# Altium PCB motordriver-v5.2.PcbDoc (part 2 of 7)
Units mil, origin at the board's own origin, x right, y up, seen from the top; angles counter-clockwise.
Board outline 4530.01 x 6141.73 mil, 6 copper layers (Top Copper, GND Layer 1, Signal Layer 1, Signal Layer 2, PWR Layer, Bottom Copper), stack 58.2 mil thick; 778 components, 542 nets, 2552 pads, 1095 vias.
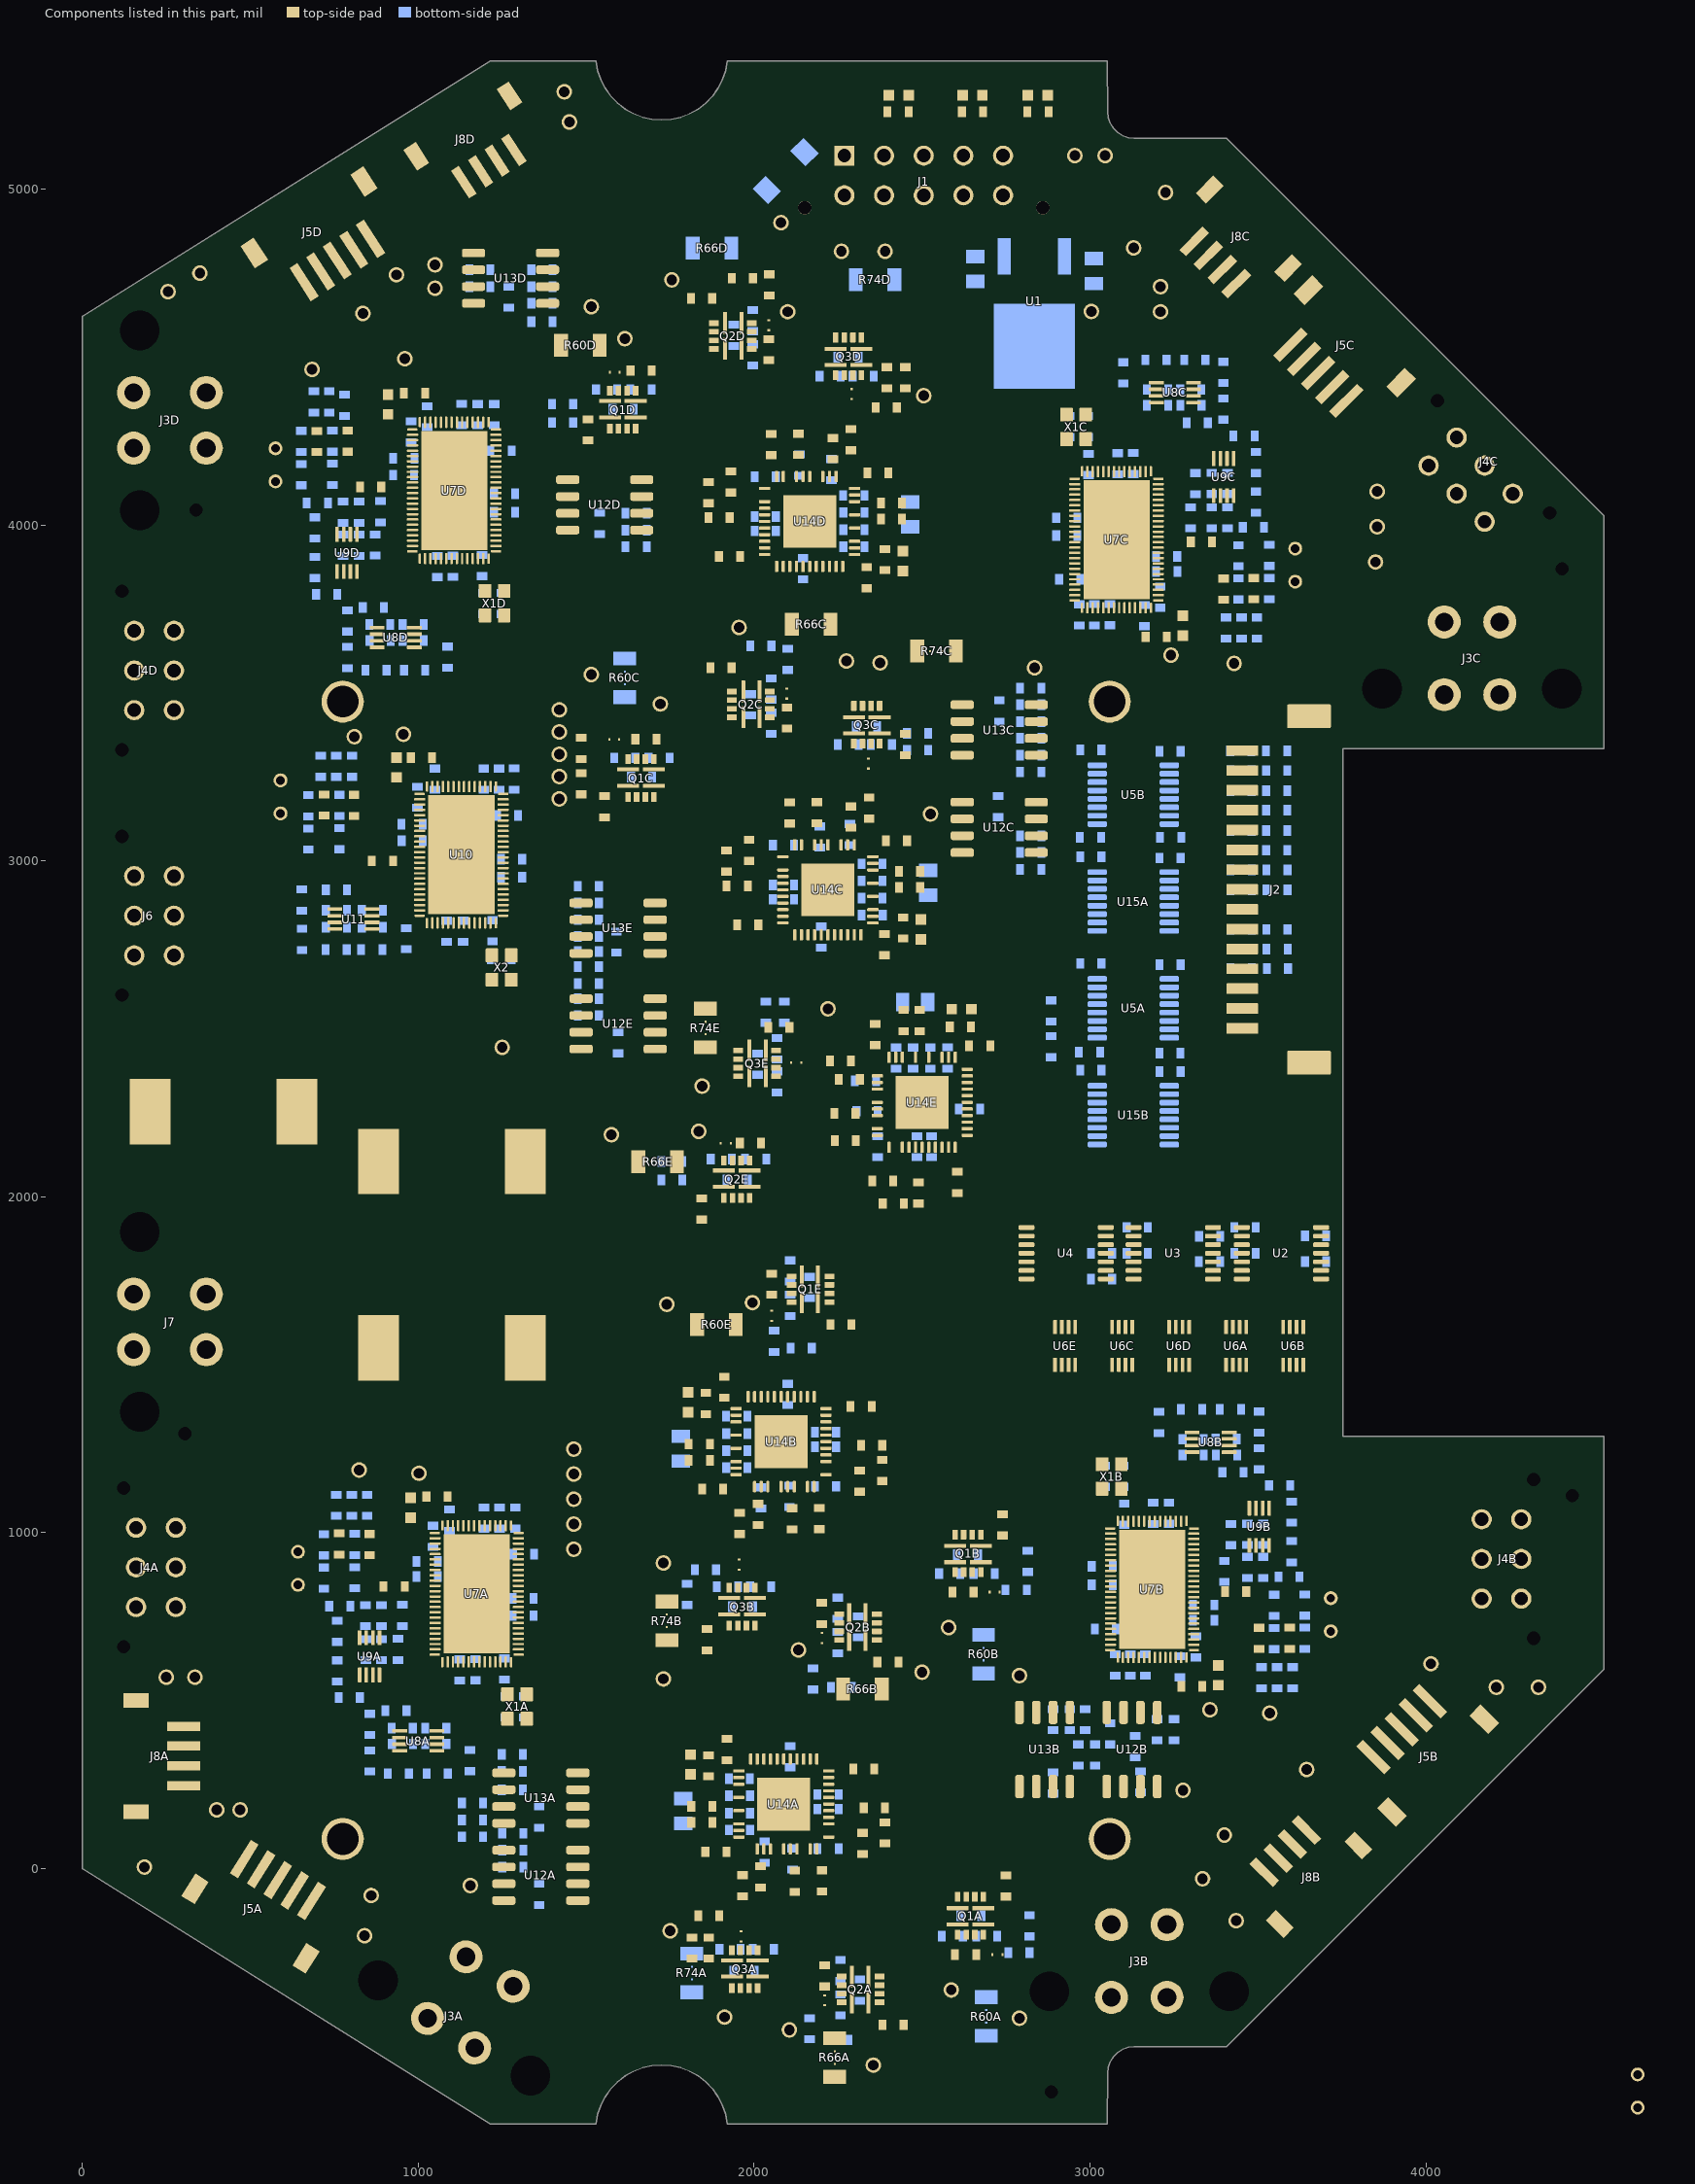
[diagram p6: the components of this part, seen from the top]

## Components (designator, comment, footprint, x,y, rotation, side; value= is the part's Value field where it differs from the comment) (continued)
FB1A "600R/1A" 0603 1260.6,481.62 r270 bottom value="600R/1A @ 100 MHz" (schematic designator FB1)
FB1B "600R/1A" 0603 3098.38,1168.33 r90 bottom value="600R/1A @ 100 MHz" (schematic designator FB1)
FB1C "600R/1A" 0603 2992.38,4293.23 r90 bottom value="600R/1A @ 100 MHz" (schematic designator FB1)
FB1D "600R/1A" 0603 1193.6,3766.62 r270 bottom value="600R/1A @ 100 MHz" (schematic designator FB1)
FB2 "600R/1A" 0603 1219.56,2672.78 r270 bottom value="600R/1A @ 100 MHz"
J1 "8A Molex" MOLEX_0430451012 2268.73,5099.72 r180 top
J2 "BM15B-ZESS-TBT(LF)(SN)" "JST ZE SMT 15POS" 3561.45,2885.53 r90 top
J3A "39299044" 39299044 1142.49,-262.48 r147.95 top (schematic designator J3)
J3B "39299044" 39299044 3063.99,-166.77 r180 top (schematic designator J3)
J3C "39299044" 39299044 4054.65,3711.54 r180 top (schematic designator J3)
J3D "39299044" 39299044 368.99,4394.42 r90 top (schematic designator J3)
J4A "43045-0628" 430450628 278.11,1015 r90 top (schematic designator J4)
J4B "43045-0628" 430450628 4165.89,803.89 r270 top (schematic designator J4)
J4C "43045-0628" 430450628 4175,4010 r315 top (schematic designator J4)
J4D "43045-0628" 430450628 272.53,3685.07 r90 top (schematic designator J4)
J5A "S5B-ZR-SM4A-TF (LF) (SN)" JST_S5B-ZR-SM4A-TF 682.21,-96.28 r147.95 top (schematic designator J5)
J5B "S5B-ZR-SM4A-TF (LF) (SN)" JST_S5B-ZR-SM4A-TF 4011.57,498.83 r225 top (schematic designator J5)
J5C "S5B-ZR-SM4A-TF (LF) (SN)" JST_S5B-ZR-SM4A-TF 3596.17,4536.57 r315 top (schematic designator J5)
J5D "S5B-ZR-SM4A-TF (LF) (SN)" JST_S5B-ZR-SM4A-TF 660.03,4723.07 r33.05 top (schematic designator J5)
J6 "43045-0628" 430450628 272.53,2955.07 r90 top
J7 "39299044" 39299044 368.99,1710.42 r90 top
J8A "S4B-ZR-SM4A-TF(LF)(SN)" JST_S4B-ZR-SM4A-TF(LF)(SN) 301.73,335.35 r270 top (schematic designator J8)
J8B "S4B-ZR-SM4A-TF(LF)(SN)" JST_S4B-ZR-SM4A-TF(LF)(SN) 3581.7,52.14 r45 top (schematic designator J8)
J8C "S4B-ZR-SM4A-TF(LF)(SN)" JST_S4B-ZR-SM4A-TF(LF)(SN) 3372.86,4781.7 r135 top (schematic designator J8)
J8D "S4B-ZR-SM4A-TF(LF)(SN)" JST_S4B-ZR-SM4A-TF(LF)(SN) 1210.24,5068.92 r213 top (schematic designator J8)
L1 "56 UH" "EATON _HCM1A1307V2-560-R" 1100.49,1550.07 r0 top value="56 uH"
L2 "56 UH" "EATON _HCM1A1307V2-560-R" 1099.99,2105.07 r0 top value="56 uH"
L3 "56 UH" "EATON _HCM1A1307V2-560-R" 419.99,2253.07 r0 top value="56 uH"
MH1 "M2 Hole" "Mounting Hole M2" 775.19,88.6 r0 top
MH2 "M2 Hole" "Mounting Hole M2" 3058.65,88.6 r0 top
MH3 "M2 Hole" "Mounting Hole M2" 3058.65,3474.43 r0 top
MH4 "M2 Hole" "Mounting Hole M2" 775.19,3474.43 r0 top
NT1A "8mil Nettie" NT_8mil 2723.99,-255.67 r180 top net-tie (schematic designator NT1)
NT1B "8mil Nettie" NT_8mil 2716.12,823.07 r180 top net-tie (schematic designator NT1)
NT1C "8mil Nettie" NT_8mil 1583.51,3362.12 r0 top net-tie (schematic designator NT1)
NT1D "8mil Nettie" NT_8mil 1585,4455 r0 top net-tie (schematic designator NT1)
NT1E "8mil Nettie" NT_8mil 2052.25,1645.48 r90 top net-tie (schematic designator NT1)
NT4A "8mil Nettie" NT_8mil 2209.99,-391.93 r90 top net-tie (schematic designator NT4)
NT4B "8mil Nettie" NT_8mil 2202.12,686.81 r90 top net-tie (schematic designator NT4)
NT4C "8mil Nettie" NT_8mil 2097.5,3498.39 r270 top net-tie (schematic designator NT4)
NT4D "8mil Nettie" NT_8mil 2043.4,4595.07 r270 top net-tie (schematic designator NT4)
NT4E "8mil Nettie" NT_8mil 1915.99,2159.48 r0 top net-tie (schematic designator NT4)
NT5A "8mil Nettie" NT_8mil 1960.99,-201.93 r90 top net-tie (schematic designator NT5)
NT5B "8mil Nettie" NT_8mil 1955,905 r90 top net-tie (schematic designator NT5)
NT5C "8mil Nettie" NT_8mil 2340,3290 r270 top net-tie (schematic designator NT5)
NT5D "8mil Nettie" NT_8mil 2290,4390 r270 top net-tie (schematic designator NT5)
NT5E "8mil Nettie" NT_8mil 2125,2400 r0 top net-tie (schematic designator NT5)
Q1A "N-CH Dual SW Node" 12-PowerWQFN 2644.38,-140.32 r270 top (schematic designator Q1)
Q1B "N-CH Dual SW Node" 12-PowerWQFN 2636.5,938.42 r270 top (schematic designator Q1)
Q1C "N-CH Dual SW Node" 12-PowerWQFN 1663.12,3246.77 r90 top (schematic designator Q1)
Q1D "N-CH Dual SW Node" 12-PowerWQFN 1609.01,4343.45 r90 top (schematic designator Q1)
Q1E "N-CH Dual SW Node" 12-PowerWQFN 2167.61,1725.09 r180 top (schematic designator Q1)
Q2A "N-CH Dual SW Node" 12-PowerWQFN 2317.02,-359.61 r180 top (schematic designator Q2)
Q2B "N-CH Dual SW Node" 12-PowerWQFN 2309.14,719.13 r180 top (schematic designator Q2)
Q2C "N-CH Dual SW Node" 12-PowerWQFN 1990.48,3466.06 r0 top (schematic designator Q2)
Q2D "N-CH Dual SW Node" 12-PowerWQFN 1936.37,4562.74 r0 top (schematic designator Q2)
Q2E "N-CH Dual SW Node" 12-PowerWQFN 1948.32,2052.45 r90 top (schematic designator Q2)
Q3A "N-CH Dual SW Node" 12-PowerWQFN 1972.13,-298.98 r90 top (schematic designator Q3)
Q3B "N-CH Dual SW Node" 12-PowerWQFN 1964.26,779.76 r90 top (schematic designator Q3)
Q3C "N-CH Dual SW Node" 12-PowerWQFN 2335.36,3405.43 r270 top (schematic designator Q3)
Q3D "N-CH Dual SW Node" 12-PowerWQFN 2281.26,4502.11 r270 top (schematic designator Q3)
Q3E "N-CH Dual SW Node" 12-PowerWQFN 2008.95,2397.34 r0 top (schematic designator Q3)
R1 "10k" 0603 3461.49,1909.07 r0 bottom
R2 "10k" 0603 3461.49,1832.07 r0 bottom
R3 "10k" 0603 3671.49,1807.07 r180 bottom
R4 "10k" 0603 3671.49,1884.07 r180 bottom
R5 "10k" 0603 3140.49,1909.07 r0 bottom
R6 "10k" 0603 3140.49,1832.07 r0 bottom
R7 "10k" 0603 3355.99,1807.07 r180 bottom
R8 "10k" 0603 3356.49,1882.07 r180 bottom
R9 "10k" 0603 3034.49,1755.07 r180 bottom
R10 "10k" 0603 3034.49,1832.07 r180 bottom
R11 "110" 0603 2845.07,5230.01 r180 top
R12 "330" 0603 2650,5230 r180 top
R13 "1.96k" 0603 2428.5,5230 r180 top
R14A "4.7k" 0603 3238.03,2428.26 r180 bottom (schematic designator R14)
R14B "4.7k" 0603 3240,3070 r0 bottom (schematic designator R14)
R15A "4.7k" 0603 2998.5,2430.74 r0 bottom (schematic designator R15)
R15B "4.7k" 0603 3001.5,3070 r180 bottom (schematic designator R15)
R16A "RES NTC 10k" "THERMISTOR TH" 646.99,889.07 r90 top value=10k (schematic designator R16)
R16B "RES NTC 10k" "THERMISTOR TH" 3711.99,760.88 r270 top value=10k (schematic designator R16)
R16C "RES NTC 10k" "THERMISTOR TH" 4635.6,-667.04 r90 top value=10k (schematic designator R16)
R16C "RES NTC 10k" "THERMISTOR TH" 3605.99,3885.78 r270 top value=10k (schematic designator R16)
R16D "RES NTC 10k" "THERMISTOR TH" 579.99,4174.07 r90 top value=10k (schematic designator R16)
R17A "RES NTC 10k" 0603 927.99,840.07 r0 top value=10k (schematic designator R17)
R17B "RES NTC 10k" 0603 3433.5,825 r180 top value=10k (schematic designator R17)
R17C "RES NTC 10k" 0603 3331.5,3950 r180 top value=10k (schematic designator R17)
R17D "RES NTC 10k" 0603 858.19,4113.82 r0 top value=10k (schematic designator R17)
R18A "47k" 0603 847.99,1081.56 r270 bottom (schematic designator R18)
R18B "47k" 0603 3510.99,568.39 r90 bottom (schematic designator R18)
R18C "47k" 0603 3404.99,3693.28 r90 bottom (schematic designator R18)
R18D "47k" 0603 780,4356.5 r270 bottom (schematic designator R18)
R19A "1k" 0603 755.99,1081.56 r90 bottom (schematic designator R19)
R19B "1k" 0603 3602.99,568.39 r270 bottom (schematic designator R19)
R19C "1k" 0603 3496.99,3693.28 r270 bottom (schematic designator R19)
R19D "1k" 0603 688.99,4366.56 r90 bottom (schematic designator R19)
R20A "4.7k" 0603 718.99,865.07 r90 bottom (schematic designator R20)
R20B "4.7k" 0603 3639.99,784.88 r270 bottom (schematic designator R20)
R20C "4.7k" 0603 3533.99,3909.78 r270 bottom (schematic designator R20)
R20D "4.7k" 0603 651.99,4150.07 r90 bottom (schematic designator R20)
R21A "4.7k" 0603 810.99,866.07 r90 bottom (schematic designator R21)
R21B "4.7k" 0603 3547.99,783.88 r270 bottom (schematic designator R21)
R21C "4.7k" 0603 3441.99,3908.78 r270 bottom (schematic designator R21)
R21D "4.7k" 0603 743.99,4151.07 r90 bottom (schematic designator R21)
R22A "4.7k" 0603 765,966.5 r90 top (schematic designator R22)
R22B "4.7k" 0603 3594.42,685.88 r270 top (schematic designator R22)
R22C "4.7k" 0603 3486.99,3810.78 r270 top (schematic designator R22)
R22D "4.7k" 0603 698.33,4248.64 r90 top (schematic designator R22)
R23A "4.7k" 0603 854.99,964.56 r90 top (schematic designator R23)
R23B "4.7k" 0603 3503.99,685.39 r270 top (schematic designator R23)
R23C "4.7k" 0603 3398.39,3809.33 r270 top (schematic designator R23)
R23D "4.7k" 0603 790,4250 r90 top (schematic designator R23)
R24A "JUMPER" 0603 2326.49,297.07 r0 top value=0 (schematic designator R24)
R24B "JUMPER" 0603 2318.61,1375.81 r0 top value=0 (schematic designator R24)
R24C "JUMPER" 0603 1981.01,2809.39 r180 top value=0 (schematic designator R24)
R24D "JUMPER" 0603 1926.91,3906.07 r180 top value=0 (schematic designator R24)
R24E "JUMPER" 0603 2604.99,2042.98 r270 top value=0 (schematic designator R24)
R25A "110" 0603 1055.88,1107.6 r0 top (schematic designator R25)
R25B "110" 0603 3303.1,542.35 r180 top (schematic designator R25)
R25C "110" 0603 3197.1,3667.24 r180 top (schematic designator R25)
R25D "110" 0603 988.88,4392.6 r0 top (schematic designator R25)
R26A "4.7k" 0603 933.49,470.07 r180 bottom (schematic designator R26)
R26B "4.7k" 0603 3425.49,1179.88 r0 bottom (schematic designator R26)
R26C "4.7k" 0603 3319.49,4304.78 r0 bottom (schematic designator R26)
R26D "4.7k" 0603 866.49,3755.07 r180 bottom (schematic designator R26)
R27A "4.7k" 0603 940.99,283.07 r180 bottom (schematic designator R27)
R27B "4.7k" 0603 3417.99,1366.88 r0 bottom (schematic designator R27)
R27C "4.7k" 0603 3311.99,4491.78 r0 bottom (schematic designator R27)
R27D "4.7k" 0603 873.99,3568.07 r180 bottom (schematic designator R27)
R28A "4.7k" 0603 1056.49,283.07 r0 bottom (schematic designator R28)
R28B "4.7k" 0603 3302.49,1366.88 r180 bottom (schematic designator R28)
R28C "4.7k" 0603 3196.49,4491.78 r180 bottom (schematic designator R28)
R28D "4.7k" 0603 989.49,3568.07 r0 bottom (schematic designator R28)
R29A "4.7k" 0603 855.99,429.56 r270 bottom (schematic designator R29)
R29B "4.7k" 0603 3502.99,1220.39 r90 bottom (schematic designator R29)
R29C "4.7k" 0603 3396.99,4345.28 r90 bottom (schematic designator R29)
R29D "4.7k" 0603 788.99,3714.56 r270 bottom (schematic designator R29)
R30A "4.7k" 0603 855.99,320.57 r90 bottom (schematic designator R30)
R30B "4.7k" 0603 3502.99,1329.38 r270 bottom (schematic designator R30)
R30C "4.7k" 0603 3396.99,4454.27 r270 bottom (schematic designator R30)
R30D "4.7k" 0603 788.99,3605.57 r90 bottom (schematic designator R30)
R31A "4.7k" 0603 1153.99,321.56 r90 bottom (schematic designator R31)
R31B "4.7k" 0603 3204.99,1328.39 r270 bottom (schematic designator R31)
R31C "4.7k" 0603 3098.99,4453.28 r270 bottom (schematic designator R31)
R31D "4.7k" 0603 1086.99,3606.56 r90 bottom (schematic designator R31)
R32A "4.7k" 0603 939.45,652.59 r90 bottom (schematic designator R32)
R32B "4.7k" 0603 3419.99,994.39 r270 bottom (schematic designator R32)
R32C "4.7k" 0603 3313.99,4123.17 r270 bottom (schematic designator R32)
R32D "4.7k" 0603 871.99,3940.56 r90 bottom (schematic designator R32)
R33A "4.7k" 0603 758.99,706.57 r90 bottom (schematic designator R33)
R33B "4.7k" 0603 3599.99,943.38 r270 bottom (schematic designator R33)
R33C "4.7k" 0603 3493.99,4068.27 r270 bottom (schematic designator R33)
R33D "4.7k" 0603 691.99,3991.57 r90 bottom (schematic designator R33)
R34A "4.7k" 0603 758.99,588.57 r270 bottom (schematic designator R34)
R34B "4.7k" 0603 3599.99,1061.38 r90 bottom (schematic designator R34)
R34C "4.7k" 0603 3493.99,4186.27 r90 bottom (schematic designator R34)
R34D "4.7k" 0603 691.99,3873.57 r270 bottom (schematic designator R34)
R35A "1k" 0603 953.03,753.86 r90 bottom (schematic designator R35)
R35B "1k" 0603 3400,884.82 r270 bottom (schematic designator R35)
R35C "1k" 0603 3300,4021.5 r270 bottom (schematic designator R35)
R35D "1k" 0603 887.54,4039.71 r90 bottom (schematic designator R35)
R36A "1k" 0603 766.49,781.07 r0 bottom (schematic designator R36)
R36B "1k" 0603 3592.49,868.88 r180 bottom (schematic designator R36)
R36C "1k" 0603 3486.49,3993.78 r180 bottom (schematic designator R36)
R36D "1k" 0603 699.49,4066.07 r0 bottom (schematic designator R36)
R37A "1k" 0603 794.49,509.07 r0 bottom (schematic designator R37)
R37B "1k" 0603 3564.49,1140.88 r180 bottom (schematic designator R37)
R37C "1k" 0603 3458.49,4265.78 r180 bottom (schematic designator R37)
R37D "1k" 0603 727.49,3794.07 r0 bottom (schematic designator R37)
R38A "JUMPER" 0603 1918.79,354.54 r90 top value=0 (schematic designator R38)
R38B "JUMPER" 0603 1911.32,1433.13 r90 top value=0 (schematic designator R38)
R38C "JUMPER" 0603 2387.99,2751.07 r270 top value=0 (schematic designator R38)
R38D "JUMPER" 0603 2335.02,3843.43 r270 top value=0 (schematic designator R38)
R38E "JUMPER" 0603 2671.5,2450 r0 top value=0 (schematic designator R38)
R39A "4.7k" 0603 1161.5,195 r0 bottom (schematic designator R39)
R39B "4.7k" 0603 3060,401.5 r270 bottom (schematic designator R39)
R39C "4.7k" 0603 2823.5,3415 r180 bottom (schematic designator R39)
R39D "4.7k" 0603 1368.5,4760 r180 bottom (schematic designator R39)
R39E "4.7k" 0603 1506.5,2775 r0 bottom (schematic designator R39)
R40A "4.7k" 0603 1161.5,145 r180 bottom (schematic designator R40)
R40B "4.7k" 0603 3015,338.5 r270 bottom (schematic designator R40)
R40C "4.7k" 0603 2823.5,3465 r0 bottom (schematic designator R40)
R40D "4.7k" 0603 1183.5,4760 r180 bottom (schematic designator R40)
R40E "4.7k" 0603 1506.5,2730 r180 bottom (schematic designator R40)
R41 "RES NTC 10k" "THERMISTOR TH" 585,3185.79 r90 bottom value=10k
R42 "RES NTC 10k" 0603 893.5,3000 r0 top value=10k
R43 "47k" 0603 802.83,3281.72 r270 bottom
R44 "1k" 0603 709.8,3281.72 r90 bottom
R45 "4.7k" 0603 672.8,3065.23 r90 bottom
R46 "110" 0603 1009.69,3307.76 r0 top
R47 "4.7k" 0603 756.49,2914.07 r180 bottom
R48 "4.7k" 0603 755.49,2736.07 r180 bottom
R49 "4.7k" 0603 861.49,2736.07 r0 bottom
R50 "4.7k" 0603 652.99,2883.56 r270 bottom
R51 "4.7k" 0603 653.99,2766.57 r90 bottom
R52 "4.7k" 0603 963.99,2768.57 r90 bottom
R53 "4.7k" 0603 765.43,3066.23 r90 bottom
R54 "4.7k" 0603 672.8,3164.23 r90 bottom
R55A "1k" 0603 1281.5,55 r0 bottom (schematic designator R55)
R55B "1k" 0603 3200,413.5 r90 bottom (schematic designator R55)
R55C "1k" 0603 2823.5,3025 r180 bottom (schematic designator R55)
R55D "1k" 0603 1648.5,3985 r180 bottom (schematic designator R55)
R55E "1k" 0603 1506.5,2590 r0 bottom (schematic designator R55)
R56A "1k" 0603 1280,290 r0 bottom (schematic designator R56)
R56B "1k" 0603 2940,443.5 r90 bottom (schematic designator R56)
R56C "1k" 0603 2823.5,3315 r180 bottom (schematic designator R56)
R56D "1k" 0603 1368.5,4660 r180 bottom (schematic designator R56)
R56E "1k" 0603 1506.5,2875 r0 bottom (schematic designator R56)
R57A "100k" 0603 2629.61,-255.67 r180 top (schematic designator R57)
R57B "100k" 0603 2621.74,823.07 r180 top (schematic designator R57)
R57C "100k" 0603 1677.88,3362.12 r0 top (schematic designator R57)
R57D "100k" 0603 1663.5,4460 r0 top (schematic designator R57)
R57E "100k" 0603 2052.25,1739.86 r90 top (schematic designator R57)
R58A "10.0" 0603 2590.24,-200.55 r0 bottom value=10 (schematic designator R58)
R58B "10.0" 0603 2582.37,878.19 r0 bottom value=10 (schematic designator R58)
R58C "10.0" 0603 1717.25,3307.01 r180 bottom value=10 (schematic designator R58)
R58D "10.0" 0603 1663.15,4403.69 r180 bottom value=10 (schematic designator R58)
R58E "10.0" 0603 2107.37,1779.23 r270 bottom value=10 (schematic designator R58)
R59A "10.0" 0603 2201.99,-36.43 r90 top value=10 (schematic designator R59)
R59B "10.0" 0603 2194.12,1042.31 r90 top value=10 (schematic designator R59)
R59C "10.0" 0603 2105.51,3142.88 r270 top value=10 (schematic designator R59)
R59D "10.0" 0603 2051.4,4239.56 r270 top value=10 (schematic designator R59)
R59E "10.0" 0603 2271.49,2167.48 r0 top value=10 (schematic designator R59)
R60A "RES 10m 1W" "1206 - Current Sense" 2690.99,-439.93 r90 bottom value=10m (schematic designator R60)
R60B "RES 10m 1W" "1206 - Current Sense" 2683.12,638.81 r90 bottom value=10m (schematic designator R60)
R60C "RES 10m 1W" "1206 - Current Sense" 1615,3545 r270 bottom value=10m (schematic designator R60)
R60D "RES 10m 1W" "1206 - Current Sense" 1482.52,4535 r0 top value=10m (schematic designator R60)
R60E "RES 10m 1W" "1206 - Current Sense" 1887.48,1620 r0 top value=10m (schematic designator R60)
R61A "10.0" 0603 2357.96,181.34 r180 top value=10 (schematic designator R61)
R61B "10.0" 0603 2350.09,1260.08 r180 top value=10 (schematic designator R61)
R61C "10.0" 0603 1949.54,2925.12 r0 top value=10 (schematic designator R61)
R61D "10.0" 0603 1895.43,4021.8 r0 top value=10 (schematic designator R61)
R61E "10.0" 0603 2489.26,2011.51 r90 top value=10 (schematic designator R61)
R62A "100k" 0603 2750,-51.5 r90 top (schematic designator R62)
R62B "100k" 0603 2740,1023.5 r90 top (schematic designator R62)
R62C "100k" 0603 1555,3161.5 r270 top (schematic designator R62)
R62D "100k" 0603 1505,4283.5 r270 top (schematic designator R62)
R62E "100k" 0603 2258.5,1620 r0 top (schematic designator R62)
R63A "100k" 0603 2209.73,-319.06 r90 top (schematic designator R63)
R63B "100k" 0603 2201.86,759.68 r90 top (schematic designator R63)
R63C "100k" 0603 2097.77,3425.51 r270 top (schematic designator R63)
R63D "100k" 0603 2043.66,4522.19 r270 top (schematic designator R63)
R63E "100k" 0603 1988.87,2159.74 r0 top (schematic designator R63)
R64A "10.0" 0603 2120.99,-37.43 r90 top value=10 (schematic designator R64)
R64B "10.0" 0603 2113.12,1041.31 r90 top value=10 (schematic designator R64)
R64C "10.0" 0603 2186.51,3143.88 r270 top value=10 (schematic designator R64)
R64D "10.0" 0603 2132.4,4240.56 r270 top value=10 (schematic designator R64)
R64E "10.0" 0603 2270.49,2248.48 r0 top value=10 (schematic designator R64)
R65A "10.0" 0603 2256.98,-303.31 r270 bottom value=10 (schematic designator R65)
R65B "10.0" 0603 2249.1,775.43 r270 bottom value=10 (schematic designator R65)
R65C "10.0" 0603 2050.52,3409.76 r90 bottom value=10 (schematic designator R65)
R65D "10.0" 0603 1996.41,4506.44 r90 bottom value=10 (schematic designator R65)
R65E "10.0" 0603 2004.61,2112.49 r180 bottom value=10 (schematic designator R65)
R66A "RES 10m 1W" "1206 - Current Sense" 2240,-562.48 r90 top value=10m (schematic designator R66)
R66B "RES 10m 1W" "1206 - Current Sense" 2322.48,535 r180 top value=10m (schematic designator R66)
R66C "RES 10m 1W" "1206 - Current Sense" 2170,3705 r180 top value=10m (schematic designator R66)
R66D "RES 10m 1W" "1206 - Current Sense" 1875,4825 r0 bottom value=10m (schematic designator R66)
R66E "RES 10m 1W" "1206 - Current Sense" 1712.48,2105 r0 top value=10m (schematic designator R66)
R67A "10.0" 0603 2389.46,106.54 r90 top value=10 (schematic designator R67)
R67B "10.0" 0603 2381.58,1185.28 r90 top value=10 (schematic designator R67)
R67C "10.0" 0603 1918.04,2999.92 r270 top value=10 (schematic designator R67)
R67D "10.0" 0603 1863.93,4096.6 r270 top value=10 (schematic designator R67)
R67E "10.0" 0603 2414.46,1980.01 r0 top value=10 (schematic designator R67)
R68A "100k" 0603 2413.5,-465 r0 top (schematic designator R68)
R68B "100k" 0603 2398.5,615 r0 top (schematic designator R68)
R68C "100k" 0603 1901.5,3575 r180 top (schematic designator R68)
R68D "100k" 0603 1843.5,4675 r180 top (schematic designator R68)
R68E "100k" 0603 1844.15,1963.9 r270 top (schematic designator R68)
R69A "JUMPER" 0603 1844.49,185.07 r180 top value=0 (schematic designator R69)
R69B "JUMPER" 0603 1836.62,1263.81 r180 top value=0 (schematic designator R69)
R69C "JUMPER" 0603 2463,2921.39 r0 top value=0 (schematic designator R69)
R69D "JUMPER" 0603 2408.9,4018.07 r0 top value=0 (schematic designator R69)
R69E "JUMPER" 0603 2492.99,2524.98 r90 top value=0 (schematic designator R69)
R70 "4.7k" 0603 808.93,3165.23 r90 top
R71A "100k" 0603 1964.99,-50.93 r90 top (schematic designator R71)
R71B "100k" 0603 1957.12,1027.81 r90 top (schematic designator R71)
R71C "100k" 0603 2342.51,3157.39 r270 top (schematic designator R71)
R71D "100k" 0603 2288.4,4254.07 r270 top (schematic designator R71)
R71E "100k" 0603 2256.99,2404.48 r0 top (schematic designator R71)
R72A "10.0" 0603 2027.25,-239.92 r180 bottom value=10 (schematic designator R72)
R72B "10.0" 0603 2019.38,838.82 r180 bottom value=10 (schematic designator R72)
R72C "10.0" 0603 2280.25,3346.38 r0 bottom value=10 (schematic designator R72)
R72D "10.0" 0603 2226.14,4443.06 r0 bottom value=10 (schematic designator R72)
R72E "10.0" 0603 2068,2342.22 r90 bottom value=10 (schematic designator R72)
R73A "10.0" 0603 2019.16,-24.43 r90 top value=10 (schematic designator R73)
R73B "10.0" 0603 2011.28,1054.31 r90 top value=10 (schematic designator R73)
R73C "10.0" 0603 2288.34,3130.88 r270 top value=10 (schematic designator R73)
R73D "10.0" 0603 2234.23,4227.56 r270 top value=10 (schematic designator R73)
R73E "10.0" 0603 2283.49,2350.31 r0 top value=10 (schematic designator R73)
R74A "RES 10m 1W" "1206 - Current Sense" 1814.65,-310.79 r90 bottom value=10m (schematic designator R74)
R74B "RES 10m 1W" "1206 - Current Sense" 1740,737.48 r90 top value=10m (schematic designator R74)
R74C "RES 10m 1W" "1206 - Current Sense" 2543.27,3625 r180 top value=10m (schematic designator R74)
R74D "RES 10m 1W" "1206 - Current Sense" 2360,4730 r0 bottom value=10m (schematic designator R74)
R74E "RES 10m 1W" "1206 - Current Sense" 1855,2502.48 r90 top value=10m (schematic designator R74)
R75A "10.0" 0603 2322.53,75.04 r90 top value=10 (schematic designator R75)
R75B "10.0" 0603 2314.65,1153.78 r90 top value=10 (schematic designator R75)
R75C "10.0" 0603 1984.97,3031.41 r270 top value=10 (schematic designator R75)
R75D "10.0" 0603 1930.86,4128.1 r270 top value=10 (schematic designator R75)
R75E "10.0" 0603 2382.96,2046.94 r0 top value=10 (schematic designator R75)
R76A "100k" 0603 1865,-236.5 r90 top (schematic designator R76)
R76B "100k" 0603 1860,681.5 r270 top (schematic designator R76)
R76C "100k" 0603 2450,3346.5 r270 top (schematic designator R76)
R76D "100k" 0603 2395,4438.5 r270 top (schematic designator R76)
R76E "100k" 0603 2073.5,2505 r0 top (schematic designator R76)
R77A "JUMPER" 0603 3449.99,2914.07 r180 bottom value=0 (schematic designator R77)
R77B "JUMPER" 0603 3449.99,2796.07 r180 bottom value=0 (schematic designator R77)
R77C "JUMPER" 0603 2884,2553.5 r90 bottom value=0 (schematic designator R77)
R77D "JUMPER" 0603 3449.49,3269.07 r180 bottom value=0 (schematic designator R77)
R77E "JUMPER" 0603 3449.49,3209.07 r180 bottom value=0 (schematic designator R77)
R77F "JUMPER" 0603 3449.49,3151.07 r180 bottom value=0 (schematic designator R77)
R77G "JUMPER" 0603 3449.49,3091.07 r180 bottom value=0 (schematic designator R77)
R77H "JUMPER" 0603 3449.49,3032.07 r180 bottom value=0 (schematic designator R77)
R77I "JUMPER" 0603 3448.99,3328.07 r180 bottom value=0 (schematic designator R77)
R77J "JUMPER" 0603 3449.99,2973.07 r180 bottom value=0 (schematic designator R77)
R77K "JUMPER" 0603 3450.49,2737.07 r180 bottom value=0 (schematic designator R77)
R77L "JUMPER" 0603 3450,2680 r180 bottom value=0 (schematic designator R77)
R78A "110" 0603 1863.99,306.07 r90 top (schematic designator R78)
R78B "110" 0603 1856.12,1384.81 r90 top (schematic designator R78)
R78C "110" 0603 2443.51,2800.39 r270 top (schematic designator R78)
R78D "110" 0603 2389.4,3897.07 r270 top (schematic designator R78)
R78E "110" 0603 2613.99,2505.48 r0 top (schematic designator R78)
R79A "10.0" 0603 2820,-170 r90 bottom value=10 (schematic designator R79)
R79B "10.0" 0603 2815,915 r90 bottom value=10 (schematic designator R79)
R79C "10.0" 0603 1485,3230 r270 top value=10 (schematic designator R79)
R79D "10.0" 0603 1430,4305 r0 bottom value=10 (schematic designator R79)
R79E "10.0" 0603 2140,1550 r0 bottom value=10 (schematic designator R79)
R80A "10.0" 0603 2248.5,-510 r0 bottom value=10 (schematic designator R80)
R80B "10.0" 0603 2260,540 r0 bottom value=10 (schematic designator R80)
R80C "10.0" 0603 2020,3640 r180 bottom value=10 (schematic designator R80)
R80D "10.0" 0603 1965,4735 r180 top value=10 (schematic designator R80)
R80E "10.0" 0603 1755,2050 r0 bottom value=10 (schematic designator R80)
R81A "10.0" 0603 1815,-236.5 r270 top value=10 (schematic designator R81)
R81B "10.0" 0603 1800,816.5 r270 bottom value=10 (schematic designator R81)
R81C "10.0" 0603 2486.5,3380 r180 bottom value=10 (schematic designator R81)
R81D "10.0" 0603 2450,4438.5 r90 top value=10 (schematic designator R81)
R81E "10.0" 0603 2035,2550 r270 bottom value=10 (schematic designator R81)
TP1 "DBG_CS" TP 1462.99,951.07 r0 top
TP2 "DBG_SCK" TP 1462.99,1025.57 r0 top
TP3 "DBG_MOSI" TP 1462.99,1100.07 r0 top
TP4 "DBG_MISO" TP 1462.99,1174.57 r0 top
TP5 "DBG_TRG" TP 1462.99,1249.07 r0 top
TP6 "VDD" TP 3004,4636 r0 top
TP7 "PGND" TP 2390,4815 r0 top
TP8 "VCC" TP 2260,4815 r0 top
TP9 "GND" TP 3045,5100 r0 top
TP10 "5V" TP 2955,5100 r90 top
TP11A "C_U" TP 1001.99,1177.07 r90 top (schematic designator TP11)
TP11B "C_U" TP 3356.99,472.88 r270 top (schematic designator TP11)
TP11C "C_U" TP 3240.99,3612.78 r270 top (schematic designator TP11)
TP11D "C_U" TP 960,4495 r90 top (schematic designator TP11)
TP12A "C_W" TP 823.99,1187.07 r90 top (schematic designator TP12)
TP12B "C_W" TP 3534.99,462.88 r270 top (schematic designator TP12)
TP12C "C_W" TP 3428.99,3587.78 r270 top (schematic designator TP12)
TP12D "C_W" TP 684,4463.42 r90 top (schematic designator TP12)
TP13A "U_SL" TP 2790,-445 r180 top (schematic designator TP13)
TP13B "U_SL" TP 2790,575 r180 top (schematic designator TP13)
TP13C "U_SL" TP 1515,3555 r0 top (schematic designator TP13)
TP13D "U_SL" TP 1515,4650 r0 top (schematic designator TP13)
TP13E "U_SL" TP 1740,1680 r90 top (schematic designator TP13)
TP14A "U_SH" TP 2586.99,-360.93 r0 top (schematic designator TP14)
TP14B "U_SH" TP 2579.12,717.81 r0 top (schematic designator TP14)
TP14C "U_SH" TP 1720.51,3467.39 r180 top (schematic designator TP14)
TP14D "U_SH" TP 1615,4555 r270 top (schematic designator TP14)
TP14E "U_SH" TP 1995,1685 r90 top (schematic designator TP14)
TP15A "V_SL" TP 2355,-585 r90 top (schematic designator TP15)
TP15B "V_SL" TP 2500,585 r0 top (schematic designator TP15)
TP15C "V_SL" TP 2275,3595 r180 top (schematic designator TP15)
TP15D "V_SL" TP 1755,4730 r180 top (schematic designator TP15)
TP15E "V_SL" TP 1575,2185 r90 top (schematic designator TP15)
TP16A "V_SH" TP 2105,-480 r0 top (schematic designator TP16)
TP16B "V_SH" TP 2132.12,650.81 r0 top (schematic designator TP16)
TP16C "V_SH" TP 1955,3695 r180 top (schematic designator TP16)
TP16D "V_SH" TP 2100,4635 r180 top (schematic designator TP16)
TP16E "V_SH" TP 1835,2195 r90 top (schematic designator TP16)
TP17A "W_SL" TP 1911.99,-441.93 r0 top (schematic designator TP17)
TP17B "W_SL" TP 1730,565 r0 top (schematic designator TP17)
TP17C "W_SL" TP 2835,3575 r180 top (schematic designator TP17)
TP17D "W_SL" TP 2080,4900 r180 top (schematic designator TP17)
TP17E "W_SL" TP 1845,2330 r90 top (schematic designator TP17)
TP18A "W_SH" TP 1750,-185 r90 top (schematic designator TP18)
TP18B "W_SH" TP 1730,910 r90 top (schematic designator TP18)
TP18C "W_SH" TP 2375,3590 r270 top (schematic designator TP18)
TP18D "W_SH" TP 2505,4385 r270 top (schematic designator TP18)
TP18E "W_SH" TP 2220,2560 r0 top (schematic designator TP18)
TP19A "2.5V" TP 1155,-50 r270 top (schematic designator TP19)
TP19B "2.5V" TP 3277,233.15 r0 top (schematic designator TP19)
TP19C "2.5V" TP 2525,3140 r90 top (schematic designator TP19)
TP19D "2.5V" TP 835,4630 r180 top (schematic designator TP19)
TP19E "2.5V" TP 1250,2445 r270 top (schematic designator TP19)
TP20 "C_UE" TP 955.8,3377.23 r90 top
TP21 "C_WE" TP 810,3370 r90 top
TP22 "DBG_CS" TP 1420,3185 r90 top
TP23 "DBG_SCK" TP 1420,3251.25 r90 top
TP24 "DBG_MOSI" TP 1420,3317.5 r90 top
TP25 "DBG_MISO" TP 1420,3383.75 r90 top
TP26 "DBG_TRG" TP 1420,3450 r90 top
TP27A "ENC_A" TP 840,-200 r90 top (schematic designator TP27)
TP27B "ENC_A" TP 4015,610 r90 top (schematic designator TP27)
TP27C "ENC_A" TP 3855,4100 r90 top (schematic designator TP27)
TP27D "ENC_A" TP 255,4695 r90 top (schematic designator TP27)
TP28A "ENC_B" TP 860,-80 r90 top (schematic designator TP28)
TP28B "ENC_B" TP 4210,540 r90 top (schematic designator TP28)
TP28C "ENC_B" TP 3855,3995 r90 top (schematic designator TP28)
TP28D "ENC_B" TP 350,4750 r90 top (schematic designator TP28)
TP29A "MOSI" TP 470,175 r90 top (schematic designator TP29)
TP29B "MOSI" TP 3645,295 r90 top (schematic designator TP29)
TP29C "MOSI" TP 3130,4825 r90 top (schematic designator TP29)
TP29D "MOSI" TP 1050,4705 r90 top (schematic designator TP29)
TP30A "MISO" TP 335,570 r90 top (schematic designator TP30)
TP30B "MISO" TP 3435,-155 r90 top (schematic designator TP30)
TP30C "MISO" TP 3225,4990 r90 top (schematic designator TP30)
TP30D "MISO" TP 1050,4775 r90 top (schematic designator TP30)
TP31A "SCK" TP 250,570 r90 top (schematic designator TP31)
TP31B "SCK" TP 3400,100 r90 top (schematic designator TP31)
TP31C "SCK" TP 3210,4710 r90 top (schematic designator TP31)
TP31D "SCK" TP 1435,5290 r90 top (schematic designator TP31)
TP32A "ENC_N" TP 185,5 r90 top (schematic designator TP32)
TP32B "ENC_N" TP 4335,540 r90 top (schematic designator TP32)
TP32C "ENC_N" TP 3850,3890 r90 top (schematic designator TP32)
TP32D "ENC_N" TP 935,4745 r90 top (schematic designator TP32)
TP33A "ENC_CS" TP 400,175 r90 top (schematic designator TP33)
TP33B "ENC_CS" TP 3335,-30 r90 top (schematic designator TP33)
TP33C "ENC_CS" TP 3210,4635 r90 top (schematic designator TP33)
TP33D "ENC_CS" TP 1450,5200 r90 top (schematic designator TP33)
U1 "NCP1117DT33T5G" "DPAK (TO-252)" 2834.23,4635.29 r0 bottom
U2 "Tri-State Buffer" 14-TSSOP 3569.99,1832.07 r0 top
U3 "Tri-State Buffer" 14-TSSOP 3247.99,1832.07 r0 top
U4 "Tri-State Buffer" 14-TSSOP 2928.99,1832.07 r180 top
U5A "ADUM141D1BRQZ" SOP64P600X175-16N 3128.78,2561.24 r180 bottom (schematic designator U5)
U5B "ADUM141D1BRQZ" SOP64P600X175-16N 3128.78,3197.24 r180 bottom (schematic designator U5)
U6A "FSA3357K8X" SOP50P310X90-8N 3435.24,1556.07 r90 top (schematic designator U6)
U6B "FSA3357K8X" SOP50P310X90-8N 3604.99,1556.07 r90 top (schematic designator U6)
U6C "FSA3357K8X" SOP50P310X90-8N 3095.74,1556.07 r90 top (schematic designator U6)
U6D "FSA3357K8X" SOP50P310X90-8N 3265.49,1556.07 r90 top (schematic designator U6)
U6E "FSA3357K8X" SOP50P310X90-8N 2925.99,1556.07 r90 top (schematic designator U6)
U7A "TMC4671-LA" QFN40P1050X650X90_HS-77N 1174.07,818.19 r270 top (schematic designator U7)
U7B "TMC4671-LA" QFN40P1050X650X90_HS-77N 3184.91,831.76 r90 top (schematic designator U7)
U7C "TMC4671-LA" QFN40P1050X650X90_HS-77N 3078.91,3956.65 r90 top (schematic designator U7)
U7D "TMC4671-LA" QFN40P1050X650X90_HS-77N 1107.07,4103.19 r270 top (schematic designator U7)
U8A "74LVC3G17DC,125" 8-VSSOP 999.97,380.4 r0 top (schematic designator U8)
U8B "74LVC3G17DC,125" 8-VSSOP 3359.01,1269.55 r180 top (schematic designator U8)
U8C "74LVC3G17DC,125" 8-VSSOP 3253.01,4394.45 r180 top (schematic designator U8)
U8D "74LVC3G17DC,125" 8-VSSOP 932.97,3665.4 r0 top (schematic designator U8)
U9A "74LVC3G17DC,125" 8-VSSOP 854.99,632.17 r270 top (schematic designator U9)
U9B "74LVC3G17DC,125" 8-VSSOP 3503.99,1017.78 r90 top (schematic designator U9)
U9C "74LVC3G17DC,125" 8-VSSOP 3397.99,4142.67 r90 top (schematic designator U9)
U9D "74LVC3G17DC,125" 8-VSSOP 787.99,3917.17 r270 top (schematic designator U9)
U10 "''" QFN40P1050X650X90_HS-77N 1128.51,3018.35 r270 top
U11 "74LVC3G17DC,125" 8-VSSOP 806.99,2827.07 r0 top
U12A "Current Sense w/ PWM Rejection" 8-SOIC 1365,-20 r180 top (schematic designator U12)
U12B "Current Sense w/ PWM Rejection" 8-SOIC 3125,354.76 r90 top (schematic designator U12)
U12C "Current Sense w/ PWM Rejection" 8-SOIC 2729.76,3100 r0 top (schematic designator U12)
U12D "Current Sense w/ PWM Rejection" 8-SOIC 1555.24,4060 r0 top (schematic designator U12)
U12E "Current Sense w/ PWM Rejection" 8-SOIC 1595.24,2515 r180 top (schematic designator U12)
U13A "Current Sense w/ PWM Rejection" 8-SOIC 1365,210 r180 top (schematic designator U13)
U13B "Current Sense w/ PWM Rejection" 8-SOIC 2865,354.76 r90 top (schematic designator U13)
U13C "Current Sense w/ PWM Rejection" 8-SOIC 2729.76,3390 r0 top (schematic designator U13)
U13D "Current Sense w/ PWM Rejection" 8-SOIC 1274.76,4735 r0 top (schematic designator U13)
U13E "Current Sense w/ PWM Rejection" 8-SOIC 1595,2800 r180 top (schematic designator U13)
U14A "TMC6100" QFN50P700X700X85_HS-38N 2088.06,192.4 r180 top (schematic designator U14)
U14B "TMC6100" QFN50P700X700X85_HS-38N 2080.18,1271.14 r180 top (schematic designator U14)
U14C "TMC6100" QFN50P700X700X85_HS-38N 2219.44,2914.05 r0 top (schematic designator U14)
U14D "TMC6100" QFN50P700X700X85_HS-38N 2165.34,4010.73 r0 top (schematic designator U14)
U14E "TMC6100" QFN50P700X700X85_HS-38N 2500.32,2281.41 r90 top (schematic designator U14)
U15A "ADUM7441CRQZ" SOP64P600X175-16N 3128.78,2879.24 r180 bottom (schematic designator U15)
U15B "ADUM7441CRQZ" SOP64P600X175-16N 3128.78,2243.24 r180 bottom (schematic designator U15)
X1A "KC2520C25.0000C2LE00" KC2520C25.0000C2LE00 1294.24,482.5 r90 top (schematic designator X1)
X1B "KC2520C25.0000C2LE00" KC2520C25.0000C2LE00 3064.74,1167.45 r270 top (schematic designator X1)
X1C "KC2520C25.0000C2LE00" KC2520C25.0000C2LE00 2958.74,4292.35 r270 top (schematic designator X1)
X1D "KC2520C25.0000C2LE00" KC2520C25.0000C2LE00 1227.24,3767.5 r90 top (schematic designator X1)
X2 "KC2520C25.0000C2LE00" KC2520C25.0000C2LE00 1248.05,2682.65 r90 top

## Footprints (in the part's own frame and the unit in brackets; to place one, negate y for a bottom-side part, rotate by r counter-clockwise, add the part's x,y. Pads: shape width x height; smd on the part's side, far side on the other; paste and mask are expansions set on the pad)
8-SOIC [mm]
  rrect50% 1.75x0.65 smd: 1(-2.8,1.905) 2(-2.8,0.635) 3(-2.8,-0.635) 4(-2.8,-1.905) 5(2.8,-1.905) 6(2.8,-0.635) 7(2.8,0.635) 8(2.8,1.905)
  silkscreen extent -2.93,-2.55 1.6,2.9, body extent -2,-2.55 2,2.55, height 1.7
8-VSSOP [mm]
  rrect25% 1.12x0.27 smd mask+0.065: 1(-1.405,0.75) 2(-1.405,0.25) 3(-1.405,-0.25) 4(-1.405,-0.75) 5(1.405,-0.75) 6(1.405,-0.25) 7(1.405,0.25) 8(1.405,0.75)
  silkscreen extent -2.67,-1.2 1.15,1.2, body extent -1.55,-1 1.55,1, height 0.9
12-PowerWQFN [mm] "MOSFET DUAL SWITCHING N CHANNEL"
  rrect10% 0.74x0.42 smd mask+0.065: 1(-1.43,0.975) 2(-1.43,0.325) 3(-1.43,-0.325) 4(-1.43,-0.975) 7(1.43,-0.975) 8(1.43,0.975) 8(1.43,-0.325) 8(1.43,0.325)
  rrect10% 0.3x1.66 smd mask+0.065: 5(-0.575,-0.97) 5(0.66,-0.97) 11(-0.575,0.97) 11(0.66,0.97)
  Top Copper region: 0.66,-1.4 0.66,-0.14 -0.575,-0.14 -0.575,-1.4
  Top Copper region: 1.414,-0.325 1.414,0.975 1.06,0.975 1.06,-0.325
  Top Copper region: -0.575,1.4 -0.575,0.14 0.66,0.14 0.66,1.4
  silkscreen extent -2.53,-2 2,2, body extent -1.65,-1.65 1.65,1.65, height 0.81
14-TSSOP [mm]
  rrect50% 1.2x0.35 smd mask+0.07: 1(-3,1.95) 2(-3,1.3) 3(-3,0.65) 4(-3,0) 5(-3,-0.65) 6(-3,-1.3) 7(-3,-1.95) 8(3,-1.95) 9(3,-1.3) 10(3,-0.65) 11(3,0) 12(3,0.65) 13(3,1.3) 14(3,1.95)
  silkscreen extent -2.8,-2.55 2.2,2.55, body extent -3.2,-2.5 3.2,2.5, height 1.13
0603 [mm] "Chip Resistor, 2-Leads, Body 1.60x0.80mm, IPC High Density"
  rect 0.6x0.8 smd mask+0.1: 1(-0.8,0) 2(0.8,0)
  silkscreen extent -0.1,-0.3 0.1,0.3, body extent -0.8,-0.4 0.8,0.4, height 0.6
"0603 - LED" [mm]
  rect 0.8x0.8 smd: 1(-0.75,0) 2(0.75,0)
  silkscreen extent -0.15,-0.45 1.35,0.45, body extent -0.8,-0.4 0.8,0.4, height 0.65
"0603 - LED2" [mm]
  rect 0.8x0.8 smd: 1(-0.75,0) 2(0.75,0)
  silkscreen extent -0.15,-0.45 1.35,0.45, body extent -0.8,-0.4 0.8,0.4, height 0.65
0805 [mil]
  rect 40x55 smd: 1(-37,0) 2(37,0)
  silkscreen extent -4,-28 4,28, body extent -47,-28 47,28, height 24
"1206 - Current Sense" [mm]
  rect 1.05x1.72 smd: 1(-1.46,0) 2(1.46,0)
  rect 0.152x0.152 smd mask+0.102: S1(-0.476,0) S2(0.476,0)
  Top Copper region: -0.935,0.076 -0.552,0.076 -0.552,-0.076 -0.935,-0.076
  Top Copper region: 0.935,-0.076 0.552,-0.076 0.552,0.076 0.935,0.076
  silkscreen extent -0.62,-0.85 0.62,0.85, body extent -1.6,-0.8 1.6,0.8, height 1.61
39299044 [mm] "4 POS MOLEX VERT"
  round 2.5 hole 1.4: 1(0,0) 2(-4.2,0) 3(0,5.5) 4(-4.2,5.5)
  round 0 hole 3 unplated: MH1(-8.9,5.04) MH1(4.7,5.04)
  silkscreen extent -6.9,-2.25 2.7,7.35, body extent -10.29,-2.25 6.09,8.75, height 12.8
430450628 [mm] "6 POS VERT MOLEX"
  round 1.53 hole 1.02: 1(0,0) 2(-3,0) 3(-6,0) 4(0,3) 5(-3,3) 6(-6,3)
  round 0 hole 1.02 unplated: MH1(3,3.94) MH2(-9,3.94)
  silkscreen extent -9.57,-2.47 3.58,4.9, body extent -9.57,-2.47 3.58,6.3, height 9.95
"DO-214AC, SMA" [mm]
  rect 1.4x1.64 smd: 1(-2.015,0) 2(2.015,0)
  silkscreen extent -2.25,-1.4 2.25,1.4, body extent -2.36,-1.29 2.36,1.29, height 2.3
"DPAK (TO-252)" [mil]
  rect 38.58x107.87 smd: 1(-90,-165) 3(90,-165)
  rect 241.67x251.97 smd paste-157.48: 2(0,103)
  silkscreen extent -135,-244 135,150, body extent -128,-185 128,205, height 97
"EATON _HCM1A1307V2-560-R" [mm] "FIXED IND 56UH 4A 65 mOHM SMD"
  rect 3.1x4.95 smd: 1(-5.55,0) 2(5.55,0)
  silkscreen extent -6.75,-6.25 6.75,6.25, body extent -6.72,-6.3 6.73,6.3, height 6.4
Fiducial [mm] "1mm Fiducial for tack"
  round 0 hole 1 unplated mask+1: 1(0,0)
"JST ZE SMT 15POS" [mm] "15 POS HDR JST ZE"
  rrect10% 1.8x3.3 smd: 0(-12.35,-2.3) 0(13.85,-2.3)
  rrect10% 0.8x2.4 smd: 1(11.25,2.75) 2(9.75,2.75) 3(8.25,2.75) 4(6.75,2.75) 5(5.25,2.75) 6(3.75,2.75) 7(2.25,2.75) 8(0.75,2.75) 9(-0.75,2.75) 10(-2.25,2.75) 11(-3.75,2.75) 12(-5.25,2.75) 13(-6.75,2.75) 14(-8.25,2.75) 15(-9.75,2.75)
  silkscreen extent -12.75,-3.55 14.26,3, body extent -12.75,-3.55 14.25,3.45, height 7.6
JST_S4B-ZR-SM4A-TF(LF)(SN) [mm]
  rect 0.7x2.5 smd: 1(-2.25,0) 2(-0.75,0) 3(0.75,0) 4(2.25,0)
  rect 1.1x1.9 smd: S1(-4.2,-3.6) S2(4.2,-3.6)
  silkscreen extent -4.5,-5.55 4.5,1.48, body extent -4.5,-5.55 4.5,0.95, height 3.7
JST_S5B-ZR-SM4A-TF [mil]
  rect 28x118 smd paste+0: 1(236.22,0) 2(177.17,0) 3(118.11,0) 4(59.06,0) 5(0,0)
  rect 47x79 smd: 6(-76.77,153.62) 7(312.99,153.62)
  silkscreen extent -93,-50 330,233, body extent -88,-28 325,228, height 146
KC2520C25.0000C2LE00 [mm]
  rrect10% 1.05x0.95 smd: 1(-0.925,-0.725) 2(0.925,-0.725) 3(0.925,0.725) 4(-0.925,0.725)
  silkscreen extent -2.48,-1.42 1.68,1.43, body extent -1.25,-1 1.25,1, height 0.75
MOLEX_0430451012 [mm]
  rect 1.52x1.52 hole 1.02 mask+0.076: 1(0,0)
  round 1.52 hole 1.02 mask+0.076: 2(-3,0) 3(-6,0) 4(-9,0) 5(-12,0) 6(0,3) 7(-3,3) 8(-6,3) 9(-9,3) 10(-12,3)
  round 1.02 hole 1.02 unplated mask+0.076: M1(3,3.94) M2(-15,3.94)
  silkscreen extent -15.57,-2.47 5.35,6.3, body extent -15.57,-2.47 3.58,6.3, height 9.95
"Mounting Hole M2" [mm]
  round 3.18 hole 2.4: 1(0,0)
NT_8mil [mil] "8mil wide nettie"
  rect 6x8 smd paste+0 mask+0: 1(-15,0) 2(15,0)
  Top Copper region: -15,-4 15,-4 15,4 -15,4
QFN40P1050X650X90_HS-77N [mm] "QFN, 76-Leads, Body 10,50x6,50mm, Pitch 0,40mm, Thermal Pad 9,00x5,00mm, IPC Medium Density"
  rrect50% 0.768x0.182 smd mask+0.051: 1(-5.166,2.6) 14(-5.166,-2.6) 39(5.166,-2.6) 52(5.166,2.6)
  rrect50% 0.85x0.182 smd mask+0.051: 2(-5.15,2.2) 3(-5.15,1.8) 4(-5.15,1.4) 5(-5.15,1) 6(-5.15,0.6) 7(-5.15,0.2) 8(-5.15,-0.2) 9(-5.15,-0.6) 10(-5.15,-1) 11(-5.15,-1.4) 12(-5.15,-1.8) 13(-5.15,-2.2) 40(5.15,-2.2) 41(5.15,-1.8) 42(5.15,-1.4) 43(5.15,-1) 44(5.15,-0.6) 45(5.15,-0.2) 46(5.15,0.2) 47(5.15,0.6) 48(5.15,1) 49(5.15,1.4) 50(5.15,1.8) 51(5.15,2.2)
  rrect50% 0.182x0.768 smd mask+0.051: 15(-4.6,-3.166) 38(4.6,-3.166) 53(4.6,3.166) 76(-4.6,3.166)
  rrect50% 0.182x0.85 smd mask+0.051: 16(-4.2,-3.15) 17(-3.8,-3.15) 18(-3.4,-3.15) 19(-3,-3.15) 20(-2.6,-3.15) 21(-2.2,-3.15) 22(-1.8,-3.15) 23(-1.4,-3.15) 24(-1,-3.15) 25(-0.6,-3.15) 26(-0.2,-3.15) 27(0.2,-3.15) 28(0.6,-3.15) 29(1,-3.15) 30(1.4,-3.15) 31(1.8,-3.15) 32(2.2,-3.15) 33(2.6,-3.15) 34(3,-3.15) 35(3.4,-3.15) 36(3.8,-3.15) 37(4.2,-3.15) 54(4.2,3.15) 55(3.8,3.15) 56(3.4,3.15) 57(3,3.15) 58(2.6,3.15) 59(2.2,3.15) 60(1.8,3.15) 61(1.4,3.15) 62(1,3.15) 63(0.6,3.15) 64(0.2,3.15) 65(-0.2,3.15) 66(-0.6,3.15) 67(-1,3.15) 68(-1.4,3.15) 69(-1.8,3.15) 70(-2.2,3.15) 71(-2.6,3.15) 72(-3,3.15) 73(-3.4,3.15) 74(-3.8,3.15) 75(-4.2,3.15)
  rect 9x5 smd paste-99 mask+0.051: 77(0,0)
  Keep-Out Layer region: -3.81,1.778 -3.81,-1.778 3.81,-1.778 3.81,1.778
  silkscreen extent -6.17,-3.4 5.4,3.4, body extent -4.93,-3.25 5.58,3.25, height 0.9
QFN50P700X700X85_HS-38N [mm] "QFN, 44-Leads, Body 7.00x7.00mm, Pitch 0.50mm, Thermal Pad 4.00x4.00mm, IPC Medium Density"
  rrect50% 0.85x0.25 smd mask+0.075: 1(-3.4,2.5) 2(-3.4,1.5) 3(-3.4,1) 4(-3.4,0.5) 5(-3.4,0) 6(-3.4,-0.5) 7(-3.4,-1) 8(-3.4,-1.5) 9(-3.4,-2) 10(-3.4,-2.5) 22(3.4,-2.5) 23(3.4,-2) 24(3.4,-1.5) 25(3.4,-0.5) 26(3.4,0.5) 27(3.4,1.5) 28(3.4,2) 29(3.4,2.5)
  rrect50% 0.25x0.85 smd mask+0.075: 11(-2.5,-3.4) 12(-2,-3.4) 13(-1.5,-3.4) 14(-1,-3.4) 15(-0.5,-3.4) 16(0,-3.4) 17(0.5,-3.4) 18(1,-3.4) 19(1.5,-3.4) 20(2,-3.4) 21(2.5,-3.4) 30(2,3.4) 31(1.5,3.4) 32(1,3.4) 33(0,3.4) 34(-0.5,3.4) 35(-1,3.4) 36(-2,3.4) 37(-2.5,3.4)
  rect 4x4 smd paste-99: 38(0,0)
  Keep-Out Layer region: -1.4,1.4 -1.4,-1.4 1.4,-1.4 1.4,1.4
  silkscreen extent -4.39,-4.22 4.22,4.22, body extent -3.5,-3.5 3.5,3.5, height 0.89
SOP50P310X90-8N [mil]
  rrect15% 42x11 smd mask+2.5: 1(-56,30) 2(-56,10) 3(-56,-10) 4(-56,-30) 5(56,-30) 6(56,-10) 7(56,10) 8(56,30)
  silkscreen extent -55,-39 23,60, body extent -63,-41 63,41, height 35
SOP64P600X175-16N [mm] "SOP, 16-Leads, Body 4.90x3.91mm, Pitch 0.64mm, IPC Medium Density"
  rrect50% 1.45x0.435 smd mask+0.05: 1(-2.725,2.223) 2(-2.725,1.588) 3(-2.725,0.953) 4(-2.725,0.318) 5(-2.725,-0.317) 6(-2.725,-0.952) 7(-2.725,-1.587) 8(-2.725,-2.222) 9(2.725,-2.223) 10(2.725,-1.588) 11(2.725,-0.953) 12(2.725,-0.318) 13(2.725,0.317) 14(2.725,0.952) 15(2.725,1.587) 16(2.725,2.223)
  silkscreen extent -2.85,-2.5 1.6,3.1, body extent -2,-2.5 2,2.5, height 1.76
"THERMISTOR TH" [mm]
  round 1.05 hole 0.65: 1(-1.123,0.127) 2(1.377,0.127)
  silkscreen extent -1.97,-0.87 2.23,1.13
TP [mm] "Test point (40mil Standard)"
  round 1.181 hole 0.8: 1(0,0)